# KiCad board 2024-clock-retrofit.kicad_pcb
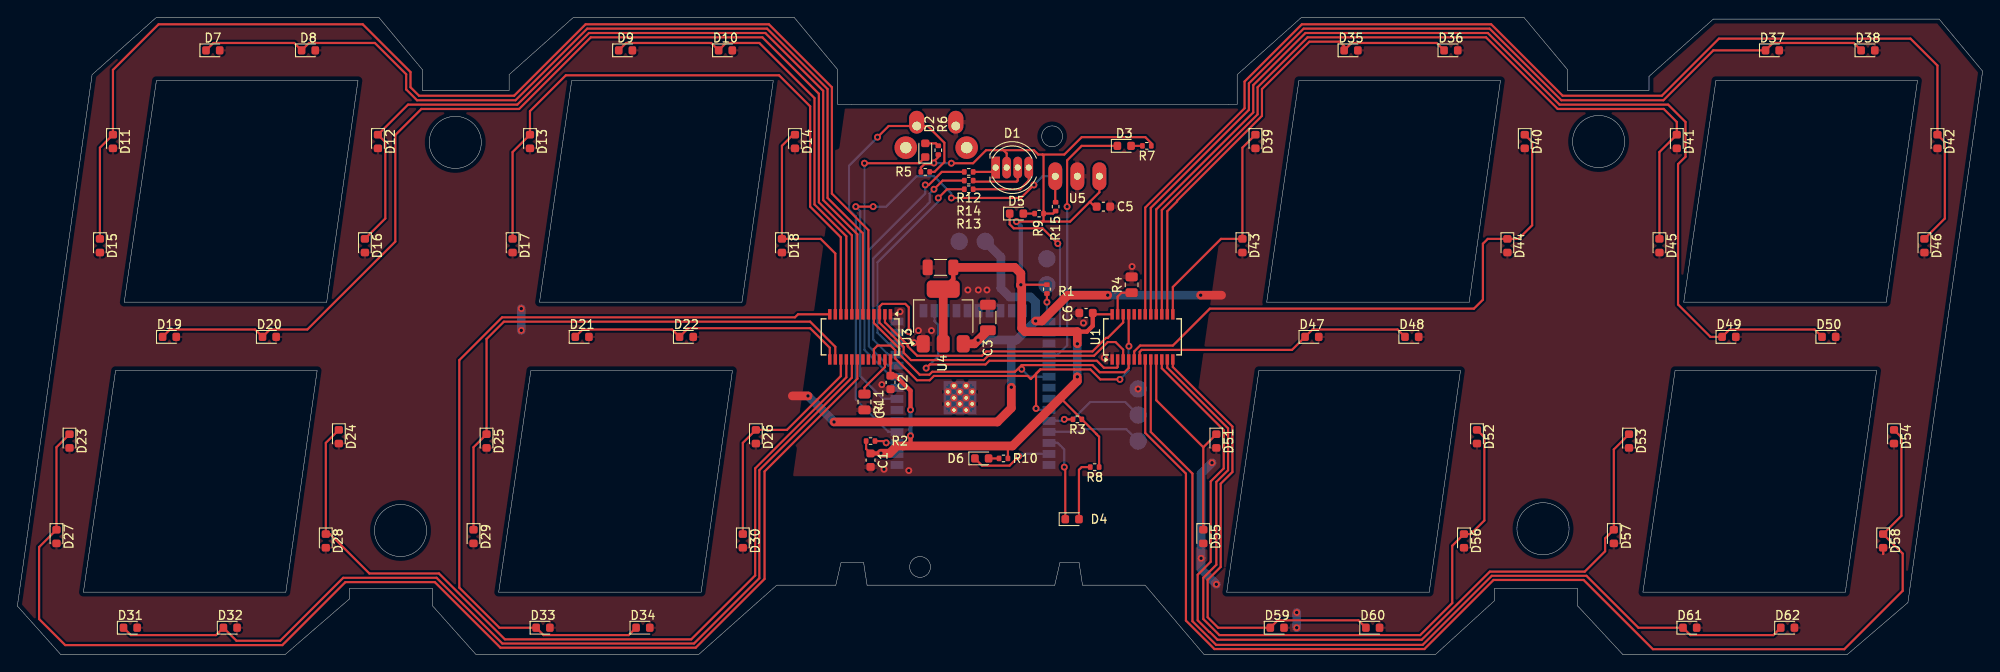
[diagram p0: board, top side]
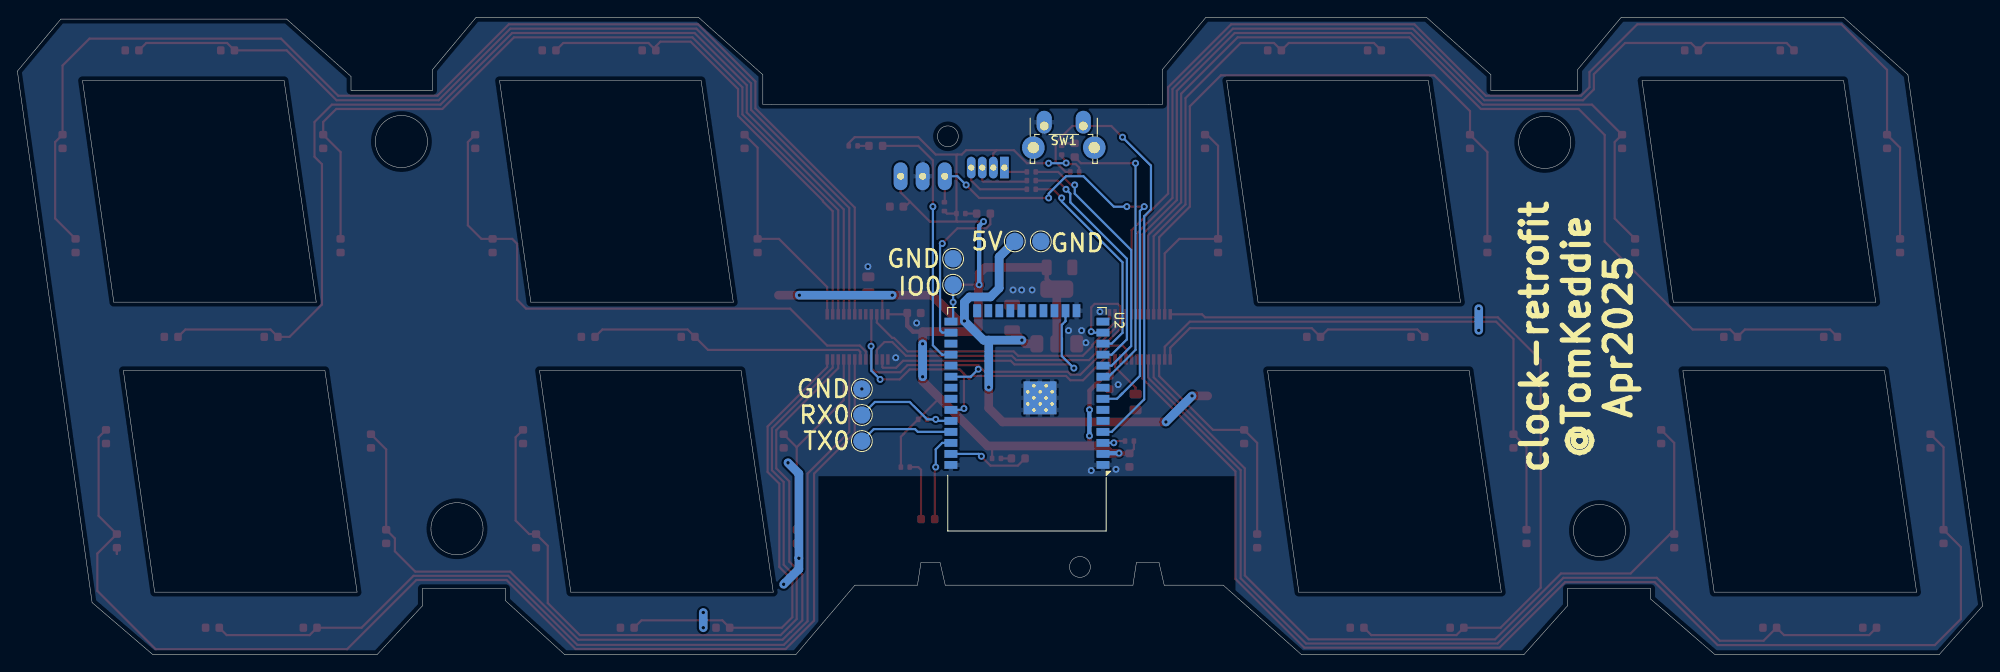
[diagram p1: board, bottom side, seen from below]

Outline 226.2 x 73.4 mm; copper layers: Top, Bottom. Coordinates in mm from the lower left corner of the outline.
Outline path: circle c44.1,14.3 r3 ; circle c50.4,59 r3 ; circle c103.9,10.1 r1.2 ; circle c119.1,59.7 r1.2 ; circle c175.6,14.5 r3 ; circle c182,59.1 r3 ; 0,5.6 8.6,66.8 16,73.4 41.6,73.4 46.6,67.4 46.6,65 56.6,65 56.6,66.8 64,73.4 89.4,73.4 94.4,67.4 94.4,63.4 140.4,63.4 140.4,66.8 147.8,73.4 173.4,73.4 178.4,67.4 178.4,65 187.8,65 187.8,66.6 195.2,73.2 221.2,73.2 226.2,67.2 217.6,6 210.6,0 184.8,0 179.6,5.6 179.6,7.6 170,7.6 170,6.2 163.2,0 136.6,0 129.8,8 122.6,8 122.2,10.6 120,10.6 119.4,8 97.8,8 97.4,10.6 94.8,10.6 94.2,8 87.4,8 78.4,0 52.8,0 47.8,5.6 47.8,7.6 38.2,7.6 38.2,6.4 30.8,0 5,0 0,5.6 ; 7.6,7.2 11.3,32.7 34.5,32.7 30.9,7.2 7.6,7.2 ; 12.3,40.6 16,66.1 39.2,66.1 35.6,40.6 12.3,40.6 ; 55.4,7.2 59.1,32.7 82.3,32.7 78.7,7.2 55.4,7.2 ; 60.1,40.6 63.8,66.1 87,66.1 83.4,40.6 60.1,40.6 ; 139.2,7.2 142.9,32.7 166.1,32.7 162.5,7.2 139.2,7.2 ; 143.8,40.6 147.5,66.1 170.7,66.1 167.1,40.6 143.8,40.6 ; 187.1,7.2 190.8,32.7 214,32.7 210.4,7.2 187.1,7.2 ; 191.8,40.6 195.5,66.1 218.7,66.1 215.1,40.6 191.8,40.6

## Placement (name value [footprint] x y rotation side)
C1  10uF/10V/X5R  [C_0603_1608Metric]  98.2 22.4 270 top
C2  100nF/50V/X7R  [C_0603_1608Metric]  100.5 31.35 270 top
C3  22uF/25V/X5R  [C_1206_3216Metric]  111.71 38.82 90 top
C4  22uF/25V/X5R  [C_1206_3216Metric]  106.25 44.6 180 top
C5  100nF/50V/X7R  [C_0603_1608Metric]  125 51.6 0 top
C6  100nF/50V/X7R  [C_0603_1608Metric]  123 39.35 180 top
D1  LED_RGBA  [LED_D5.0mm-4_RGB]  112.6 56.1 0 top  (not fitted)
D2  PM  [LED_0603_1608Metric]  104.5 58.1 90 top
D3  AL  [LED_0603_1608Metric]  127.4 58.6 0 top
D4  TEMP  [LED_0603_1608Metric]  121.4 15.6 0 top
D5  TOP  [LED_0603_1608Metric]  115 50.8 0 top
D6  BOTT  [LED_0603_1608Metric]  111 22.6 0 top
D7  LED  [LED_0603_1608Metric]  22.5 69.6 0 top
D8  LED  [LED_0603_1608Metric]  33.5 69.6 0 top
D9  LED  [LED_0603_1608Metric]  70 69.6 0 top
D10  LED  [LED_0603_1608Metric]  81.5 69.6 0 top
D11  LED  [LED_0603_1608Metric]  11 59.1 270 top
D12  LED  [LED_0603_1608Metric]  41.5 59.1 270 top
D13  LED  [LED_0603_1608Metric]  59 59.1 270 top
D14  LED  [LED_0603_1608Metric]  89.5 59.1 270 top
D15  LED  [LED_0603_1608Metric]  9.5 47.1 270 top
D16  LED  [LED_0603_1608Metric]  40 47.1 270 top
D17  LED  [LED_0603_1608Metric]  57 47.1 270 top
D18  LED  [LED_0603_1608Metric]  88 47.1 270 top
D19  LED  [LED_0603_1608Metric]  17.5 36.6 0 top
D20  LED  [LED_0603_1608Metric]  29 36.6 0 top
D21  LED  [LED_0603_1608Metric]  65 36.6 0 top
D22  LED  [LED_0603_1608Metric]  77 36.6 0 top
D23  LED  [LED_0603_1608Metric]  6 24.6 270 top
D24  LED  [LED_0603_1608Metric]  37 25.1 270 top
D25  LED  [LED_0603_1608Metric]  54 24.6 270 top
D26  LED  [LED_0603_1608Metric]  85 25.1 270 top
D27  LED  [LED_0603_1608Metric]  4.5 13.6 270 top
D28  LED  [LED_0603_1608Metric]  35.5 13.1 270 top
D29  LED  [LED_0603_1608Metric]  52.5 13.6 270 top
D30  LED  [LED_0603_1608Metric]  83.5 13.1 270 top
D31  LED  [LED_0603_1608Metric]  13 3.1 0 top
D32  LED  [LED_0603_1608Metric]  24.5 3.1 0 top
D33  LED  [LED_0603_1608Metric]  60.5 3.1 0 top
D34  LED  [LED_0603_1608Metric]  72 3.1 0 top
D35  LED  [LED_0603_1608Metric]  153.5 69.6 0 top
D36  LED  [LED_0603_1608Metric]  165 69.6 0 top
D37  LED  [LED_0603_1608Metric]  202 69.6 0 top
D38  LED  [LED_0603_1608Metric]  213 69.6 0 top
D39  LED  [LED_0603_1608Metric]  142.5 59.1 270 top
D40  LED  [LED_0603_1608Metric]  173.5 59.1 270 top
D41  LED  [LED_0603_1608Metric]  191 59.1 270 top
D42  LED  [LED_0603_1608Metric]  221 59.1 270 top
D43  LED  [LED_0603_1608Metric]  141 47.1 270 top
D44  LED  [LED_0603_1608Metric]  171.5 47.1 270 top
D45  LED  [LED_0603_1608Metric]  189 47.1 270 top
D46  LED  [LED_0603_1608Metric]  219.5 47.1 270 top
D47  LED  [LED_0603_1608Metric]  149 36.6 0 top
D48  LED  [LED_0603_1608Metric]  160.5 36.6 0 top
D49  LED  [LED_0603_1608Metric]  197 36.6 0 top
D50  LED  [LED_0603_1608Metric]  208.5 36.6 0 top
D51  LED  [LED_0603_1608Metric]  138 24.6 270 top
D52  LED  [LED_0603_1608Metric]  168 25.1 270 top
D53  LED  [LED_0603_1608Metric]  185.5 24.6 270 top
D54  LED  [LED_0603_1608Metric]  216 25.1 270 top
D55  LED  [LED_0603_1608Metric]  136.5 13.6 270 top
D56  LED  [LED_0603_1608Metric]  166.5 13.1 270 top
D57  LED  [LED_0603_1608Metric]  183.75 13.6 270 top
D58  LED  [LED_0603_1608Metric]  214.75 13.1 270 top
D59  LED  [LED_0603_1608Metric]  145 3.1 0 top
D60  LED  [LED_0603_1608Metric]  156 3.1 0 top
D61  LED  [LED_0603_1608Metric]  192.5 3.1 0 top
D62  LED  [LED_0603_1608Metric]  203.75 3.1 0 top
R1  100k  [R_0402_1005Metric]  118.5 42.1 270 top
R2  100k  [R_0402_1005Metric]  98.2 24.6 0 top
R3  100k  [R_0402_1005Metric]  122.01 27.1 180 top
R4  4.7k  [R_0805_2012Metric]  128.25 42.6 90 top
R5  R_100k  [R_0402_1005Metric]  104.5 55.6 0 top
R6  100R  [R_0402_1005Metric]  106 58.1 90 top
R7  100R  [R_0402_1005Metric]  130 58.6 180 top
R8  100R  [R_0402_1005Metric]  124 21.6 180 top
R9  100R  [R_0402_1005Metric]  117.6 50.8 180 top
R10  100R  [R_0402_1005Metric]  113.5 22.6 180 top
R11  4.7k  [R_0805_2012Metric]  97.5 29.1 270 top
R12  100R  [R_0402_1005Metric]  109.5 55.6 180 top
R13  100R  [R_0402_1005Metric]  109.5 53.6 180 top
R14  100R  [R_0402_1005Metric]  109.5 54.6 180 top
R15  100k  [R_0402_1005Metric]  119.5 51.6 90 top
SW1  SW_Push  [SW_Tactile_SPST_Angled_PTS645Vx83-2LFS]  108.01 60.89 180 bottom  (not fitted)
TP1  TestPoint  [TestPoint_Pad_D2.0mm]  111.4 47.6 180 bottom  (not fitted)
TP2  TestPoint  [TestPoint_Pad_D2.0mm]  108.4 47.6 180 bottom  (not fitted)
TP3  TestPoint  [TestPoint_Pad_D2.0mm]  118.5 42.6 180 bottom  (not fitted)
TP4  TestPoint  [TestPoint_Pad_D2.0mm]  129 24.6 180 bottom  (not fitted)
TP5  TestPoint  [TestPoint_Pad_D2.0mm]  129 27.6 180 bottom  (not fitted)
TP6  TestPoint  [TestPoint_Pad_D2.0mm]  129 30.6 180 bottom  (not fitted)
TP7  TestPoint  [TestPoint_Pad_D2.0mm]  118.5 45.6 180 bottom  (not fitted)
U1  TLC59025  [SSOP-24_3.9x8.7mm_P0.635mm]  129.5 36.6 90 top
U2  ESP32-WROOM-32  [ESP32-WROOM-32D]  110 30.1 0 bottom  (not fitted)
U3  TLC59025  [SSOP-24_3.9x8.7mm_P0.635mm]  97 36.6 270 top
U4  AZ1117-3.3  [SOT-223-3_TabPin2]  106.56 38.95 90 top
U5  ~  [IR_RECEIVER]  122 55.1 0 top  (not fitted)

## Library data of the parts
C1 = -: Datasheet: https://datasheet.lcsc.com/lcsc/1810191219_Samsung-Electro-Mechanics-CL10A106KP8NNNC_C19702.pdf; Description: 10V 10uF X5R   10% 0603 Multilayer Ceramic Capacitors MLCC - SMD SMT ROHS; LCSC: C19702; MFG: Samsung Electro-Mechanics; MFGPN: CL10A106KP8NNNC
C2 C5 C6 = -: Datasheet: https://datasheet.lcsc.com/lcsc/1809301912_YAGEO-CC0603KRX7R9BB104_C14663.pdf; Description: 50V 100nF X7R   10% 0603 Multilayer Ceramic Capacitors MLCC - SMD SMT ROHS; LCSC: C14663; MFG: YAGEO; MFGPN: CC0603KRX7R9BB104
C3 C4 = -: Datasheet: https://datasheet.lcsc.com/lcsc/1811110921_Samsung-Electro-Mechanics-CL10A106MA8NRNC_C96446.pdf; Description: 25V 10uF X5R   20% 0603 Multilayer Ceramic Capacitors MLCC - SMD SMT ROHS; LCSC: C12891; MFG: Samsung Electro-Mechanics; MFGPN: CL10A106MA8NRNC
D1 = -: Description: RGB LED, red/green/blue/anode; ki_fp_filters: LED* LED_SMD:* LED_THT:*
D2-D62 = -: Description: Light emitting diode; LCSC: C2290; ki_fp_filters: LED* LED_SMD:* LED_THT:*
R1-R3 R5 R15 = -: Description: Resistor, small symbol; LCSC: C25741; ki_fp_filters: R_*
R4 R11 = -: Description: Resistor, small symbol; LCSC: C17673; ki_fp_filters: R_*
R6-R10 R12-R14 = -: Description: Resistor, small symbol; LCSC: C25076; ki_fp_filters: R_*
SW1 = -: Description: Push button switch, generic, two pins
TP1-TP7 = -: Description: test point; ki_fp_filters: Pin* Test*
U1 U3 = -: Mfg: Texas Instruments; PN: TLC59282DBQR; JLCPCB_ROTATION_DELTA: 270
U2 = -: Datasheet: https://www.espressif.com/sites/default/files/documentation/esp32-wroom-32_datasheet_en.pdf; Description: RF Module, ESP32-D0WDQ6 SoC, Wi-Fi 802.11b/g/n, Bluetooth, BLE, 32-bit, 2.7-3.6V, onboard antenna, SMD; LCSC: C473012; ki_fp_filters: ESP32?WROOM?32*
U4 = -: Datasheet: https://www.diodes.com/assets/Datasheets/AZ1117.pdf; Description: 1A 20V Fixed LDO Linear Regulator, 3.3V, SOT-89/SOT-223/TO-220/TO-252/TO-263; LCSC: C6186; JLCPCB_ROTATION_DELTA: 180; ki_fp_filters: SOT?223* SOT?89* TO?220* TO?252* TO?263*

## Footprints (pads in the part's own frame, mm; a bottom-side part is the same pattern mirrored in y, then rotated)
C_0603_1608Metric
  rrect 0.9x0.95 smd: 1(-0.775,0) 2(0.775,0)
C_1206_3216Metric
  rrect 1.15x1.8 smd: 1(-1.475,0) 2(1.475,0)
ESP32-WROOM-32D
  rect 1.5x0.9 smd: 1(-8.75,8.25) 2(-8.75,6.98) 3(-8.75,5.71) 4(-8.75,4.44) 5(-8.75,3.17) 6(-8.75,1.9) 7(-8.75,0.63) 8(-8.75,-0.64) 9(-8.75,-1.91) 10(-8.75,-3.18) 11(-8.75,-4.45) 12(-8.75,-5.72) 13(-8.75,-6.99) 14(-8.75,-8.26) 25(8.75,-8.26) 26(8.75,-6.99) 27(8.75,-5.72) 28(8.75,-4.45) 29(8.75,-3.18) 30(8.75,-1.91) 31(8.75,-0.64) 32(8.75,0.63) 33(8.75,1.9) 34(8.75,3.17) 35(8.75,4.44) 36(8.75,5.71) 37(8.75,6.98) 38(8.75,8.25)
  rect 0.9x1.5 smd: 15(-5.71,-9.51) 16(-4.44,-9.51) 17(-3.17,-9.51) 18(-1.9,-9.51) 19(-0.63,-9.51) 20(0.64,-9.51) 21(1.91,-9.51) 22(3.18,-9.51) 23(4.45,-9.51) 24(5.72,-9.51)
  rect 0.9x0.9 smd: 39(-2.9,-0.87) 39(-2.9,0.53) 39(-2.9,1.93) 39(-1.5,-0.87) 39(-1.5,0.53) 39(-1.5,1.93) 39(-0.1,-0.87) 39(-0.1,0.53) 39(-0.1,1.93)
  round 0.8 hole 0.4: 39(-2.9,-0.17) 39(-2.9,1.23) 39(-2.2,-0.87) 39(-2.2,0.53) 39(-2.2,1.93) 39(-1.525,-0.17) 39(-1.525,1.23) 39(-0.8,-0.87) 39(-0.8,0.53) 39(-0.8,1.93) 39(-0.1,-0.17) 39(-0.1,1.23)
  rect 3.8x3.8 smd: 39(-1.5,0.53)
IR_RECEIVER
  oval 1.6x3.2 hole 0.8: 1(-2.54,0) 2(0,0) 3(2.54,0)
LED_0603_1608Metric
  rrect 0.875x0.95 smd: 1(-0.787,0) 2(0.787,0)
LED_D5.0mm-4_RGB
  rect 1x2.5 hole 0.7: 1(0,0)
  oval 1x2.5 hole 0.7: 2(1.27,0) 3(2.54,0) 4(3.81,0)
R_0402_1005Metric
  rrect 0.54x0.64 smd: 1(-0.51,0) 2(0.51,0)
R_0805_2012Metric
  rrect 1.025x1.4 smd: 1(-0.912,0) 2(0.912,0)
SOT-223-3_TabPin2
  rrect 2x1.5 smd: 1(-3.15,2.3) 2(-3.15,0) 3(-3.15,-2.3)
  rrect 2x3.8 smd: 2(3.15,0)
SSOP-24_3.9x8.7mm_P0.635mm
  rect 1.2x0.4 smd: 1(-2.6,3.493) 2(-2.6,2.857) 3(-2.6,2.223) 4(-2.6,1.587) 5(-2.6,0.953) 6(-2.6,0.318) 7(-2.6,-0.318) 8(-2.6,-0.953) 9(-2.6,-1.587) 10(-2.6,-2.223) 11(-2.6,-2.857) 12(-2.6,-3.493) 13(2.6,-3.493) 14(2.6,-2.857) 15(2.6,-2.223) 16(2.6,-1.587) 17(2.6,-0.953) 18(2.6,-0.318) 19(2.6,0.318) 20(2.6,0.953) 21(2.6,1.587) 22(2.6,2.223) 23(2.6,2.857) 24(2.6,3.493)
SW_Tactile_SPST_Angled_PTS645Vx83-2LFS
  round 2.6 hole 1.3: (-1.25,-2.49) (5.76,-2.49)
  oval 1.75x2.625 hole 0.99: 1(0,0) 2(4.5,0)
TestPoint_Pad_D2.0mm
  round 2 smd: 1(0,0)

## Nets
+3.3V: C1.1 C2.1 C4.1 C5.1 C6.1 D1.2 R1.1 R2.1 R3.1 R5.1 R6.1 R7.1 R8.1 R9.1 R10.1 R15.1 U1.24 U2.2 U3.24 U4.2 U5.3
+5V: C3.1 D7.2 D8.2 D9.2 D10.2 D11.2 D12.2 D13.2 D14.2 D15.2 D16.2 D17.2 D18.2 D19.2 D20.2 D21.2 D22.2 D23.2 D24.2 D25.2 D26.2 D27.2 D28.2 D29.2 D30.2 D31.2 D32.2 D33.2 D34.2 D35.2 D36.2 D37.2 D38.2 D39.2 D40.2 D41.2 D42.2 D43.2 D44.2 D45.2 D46.2 D47.2 D48.2 D49.2 D50.2 D51.2 D52.2 D53.2 D54.2 D55.2 D56.2 D57.2 D58.2 D59.2 D60.2 D61.2 D62.2 TP1.1 U4.3
GND: C1.2 C2.2 C3.2 C4.2 C5.2 C6.2 R4.2 R11.2 SW1.1 TP2.1 TP6.1 TP7.1 U1.1 U2.1 U2.15 U2.38 U2.39 U3.1 U4.1 U5.2
/H_SEG_A0: D7.1 D8.1 U3.6
/H_SEG_A1: D9.1 D10.1 U3.9
/H_SEG_B0: D12.1 D16.1 U3.7
/H_SEG_B1: D14.1 D18.1 U3.11
/H_SEG_C0: D24.1 D28.1 U3.16
/H_SEG_C1: D26.1 D30.1 U3.15
/H_SEG_D0: D31.1 D32.1 U3.17
/H_SEG_D1: D33.1 D34.1 U3.12
/H_SEG_E0: D23.1 D27.1 U3.18
/H_SEG_E1: D25.1 D29.1 U3.14
/H_SEG_F0: D11.1 D15.1 U3.5
/H_SEG_F1: D13.1 D17.1 U3.10
/H_SEG_G0: D19.1 D20.1 U3.8
/H_SEG_G1: D21.1 D22.1 U3.13
/IO0: R1.2 TP3.1 U2.25
/IR_SIGNAL: R15.2 U2.7 U5.1
/LED_5MM_B: R13.2 U2.12
/LED_5MM_G: R14.2 U2.11
/LED_5MM_R: R12.2 U2.10
/LED_AL: D3.1 U2.28
/LED_BOTT: D6.1 U2.37
/LED_CLK: U1.3 U2.13 U3.3
/LED_LE: U1.4 U2.30 U3.4
/LED_MOSI: U1.2 U2.16
/LED_PM: D2.1 U2.9
/LED_TEMP: D4.1 U2.36
/LED_TOP: D5.1 U2.26
/M_SEG_A0: D35.1 D36.1 U1.14
/M_SEG_A1: D37.1 D38.1 U1.17
/M_SEG_B0: D40.1 D44.1 U1.5
/M_SEG_B1: D42.1 D46.1 U1.18
/M_SEG_C0: D52.1 D56.1 U1.11
/M_SEG_C1: D54.1 D58.1 U1.7
/M_SEG_D0: D59.1 D60.1 U1.12
/M_SEG_D1: D61.1 D62.1 U1.8
/M_SEG_E0: D51.1 D55.1 U1.9
/M_SEG_E1: D53.1 D57.1 U1.10
/M_SEG_F0: D39.1 D43.1 U1.13
/M_SEG_F1: D41.1 D45.1 U1.15
/M_SEG_G0: D47.1 D48.1 U1.6
/M_SEG_G1: D49.1 D50.1 U1.16
/RXD0: R3.2 TP5.1 U2.34
/SW1: R5.2 SW1.2 U2.4
/TXD0: TP4.1 U2.35
/~{LED_OE}: U1.21 U2.33 U3.21
Net-(D1-BK): D1.4 R13.1
Net-(D1-GK): D1.3 R14.1
Net-(D1-RK): D1.1 R12.1
Net-(D2-A): D2.2 R6.2
Net-(D3-A): D3.2 R7.2
Net-(D4-A): D4.2 R8.2
Net-(D5-A): D5.2 R9.2
Net-(D6-A): D6.2 R10.2
Net-(U1-R-EXT): R4.1 U1.23
Net-(U1-SDO): U1.22 U3.2
Net-(U2-EN): R2.2 U2.3
Net-(U3-R-EXT): R11.1 U3.23

Pads without a net: U1 19 20; U2 5 6 8 14 17 18 19 20 21 22 23 24 27 29 31 32; U3 19 20 22

## Via types
v1: diameter 0.8, hole 0.4, Top to Bottom, 59 vias

## Routing (per net, layer and track width the routed paths; a pad name or vN(x,y) marks a point on that pad's centre or on a via; arc(x,y) is an arc through that point)
+3.3V: length 162.8
  Top w0.25: R5.1 103.99,56.1 104.39,56.5 105.18,56.5 106,57.32 R6.1 ; 118,57.6 117.5,57.6 117,58.1 113.5,58.1 ; 118,57.6 120.5,57.6 122.5,59.6 129.83,59.6 130.51,58.92 R7.1 ; 118,57.6 118.11,57.49 R9.1 ; 123.44,52.16 124.54,53.25 U5.3 ; 123.44,52.16 121.17,49.88 118,49.88 ; 123.44,52.16 124,51.6 C5.1 ; R2.1 97.69,23.68 C1.1 ; C2.1 100.49,32.13 U3.24 ; R1.1 115.51,42.61 v1(115.5,42.6) ; v1(115,49.88) 118,49.88 ; 118,49.88 118.11,49.99 R9.1 ; 113.5,58.1 111.5,58.1 110,56.6 v1(107.5,56.6) ; 113.5,58.1 113.87,57.73 D1.2 ; R9.1 119.21,50.8 R15.1 ; R8.1 124.51,25.09 124.2,25.4 124.2,25.42 R3.1 119.89,29.73 ; 114,24.03 114.01,24.03 R10.1 ; C6.1 123.93,39.2 U1.24
  Top w0.5: C1.1 99.38,23.17 v1(99.4,23.2) 100.2,23.2 ; 102.8,24.03 v1(102.8,25.2) ; C4.1 107.73,43.26 U4.2 ; 114.18,24.03 114,24.03 ; 122,37.2 123.1,37.2 123.78,37.88 C6.1 ; C2.1 101.08,32.12 102.8,30.4 v1(102.8,28.2) ; v1(122,32) 122,31.86
  Top w1: v1(122,35.8) 122,37.2 116,37.2 115.6,37.6 115.6,42.4 115.45,42.55 v1(115.5,42.6) 115.5,43.9 114.8,44.6 C4.1 ; v1(99.4,23.2) 100.4,23.2 101.23,24.03 114.53,24.03 122,31.5 v1(122,32) ; U4.2 106.57,42.1
  Bottom w0.25: v1(107.5,56.6) 105.52,56.6 v1(105.49,56.63)
  Bottom w0.5: v1(115,49.88) 115.5,49.38 v1(115.5,42.6) ; v1(99.4,23.2) 101.17,23.2 U2.2 ; v1(102.8,25.2) v1(102.8,28.2)
  Bottom w1: v1(122,35.8) v1(122,32)
+5V: length 102
  Top w0.25: 214.75,11.85 214.75,11.6 D58.2
  Top w1: C3.1 v1(110.58,36.22) 110.16,35.8 U4.3 ; v1(94,26.8) 112.8,26.8 114.4,28.4 v1(114.4,30.8) ; v1(125.5,41.4) 120.9,41.4 117.93,38.43 v1(117.2,38.43) ; 89.2,29.8 v1(91,29.8) ; 138.6,41.4 v1(136.2,41.4)
  Bottom w1: TP1.1 113.2,45.8 113.2,42.2 114.2,41.2 116.6,41.2 117.2,40.6 v1(117.2,38.43) 114.99,36.22 114.4,36.22 ; v1(137.5,22.1) 136.25,20.85 v1(136.25,11.1) 136.25,9.85 v1(138,8.1) ; v1(58,39.85) v1(58,37.35) ; v1(91,29.8) v1(94,26.8) ; 114.4,36.22 v1(110.58,36.22) ; 114.4,36.22 v1(114.4,30.8) ; v1(147.25,4.85) v1(147.25,3.1) ; v1(136.2,41.4) v1(125.5,41.4)
GND:
  vias: v1(99.5,31.1) v1(99.75,21.35) v1(101.6,39.5) v1(102.6,21.2) v1(103.21,35.92) v1(103.71,37.32) v1(105.21,37.32) v1(109.4,42) v1(110.6,42) v1(111.6,42) v1(122.7,38.2) v1(125.1,34.2) v1(128.3,44.7) v1(129,30.6)
/H_SEG_A0: length 110.3
  Top w0.25: U3.6 97.32,48.53 93.25,52.6 93.25,65.14 86.29,72.1 65.59,72.1 57.34,63.85 46,63.85 44.75,65.1 44.75,66.85 41.15,70.45 33.56,70.45 D8.1 31.86,70.45 22.56,70.45 D7.1
/H_SEG_A1: length 52.6
  Top w0.25: D9.1 70.06,70.45 79.86,70.45 D10.1 81.56,70.45 85.4,70.45 91.75,64.1 91.75,51.85 95.41,48.19 U3.9
/H_SEG_B0: length 99.6
  Top w0.25: U3.7 96.68,48.42 92.75,52.35 92.75,64.94 86.09,71.6 65.79,71.6 57.54,63.35 44.96,63.35 D12.1 42.35,59.04 42.35,50.24 D16.1
/H_SEG_B1: length 26.6
  Top w0.25: D14.1 89.28,59.89 88,58.61 D18.1 92.46,47.89 94.14,46.21 U3.11
/H_SEG_C0: length 99.3
  Top w0.25: D24.1 35.5,24.39 D28.1 35.97,13.89 40.51,9.35 48.53,9.35 56.11,1.76 77.56,1.76 84.92,9.12 84.92,21.45 95.41,31.94 U3.16
/H_SEG_C1: length 26.9
  Top w0.25: U3.15 94.78,32.08 88.58,25.89 D26.1 83.5,24.39 D30.1
/H_SEG_D0: length 113.4
  Top w0.25: D31.1 13.06,2.25 22.86,2.25 D32.1 25.21,1.6 30.25,1.6 37.5,8.85 48.25,8.85 55.82,1.28 77.88,1.28 85.4,8.8 85.4,21.25 96.05,31.9 U3.17
/H_SEG_D1: length 94
  Top w0.25: D34.1 70.36,2.25 60.56,2.25 D33.1 55.48,3.1 50.87,7.72 50.87,33.92 55.79,38.85 89.5,38.85 89.85,39.2 U3.12
/H_SEG_E0: length 146.6
  Top w0.25: D23.1 4.5,23.89 D27.1 2.5,12.39 2.5,4.1 5.5,1.1 30.5,1.1 37.75,8.35 48.05,8.35 55.6,0.8 78.08,0.8 86,8.72 86,21.1 96.68,31.78 U3.18
/H_SEG_E1: length 66.2
  Top w0.25: U3.14 94.14,35.46 91.25,38.35 56,38.35 54,36.35 D25.1 52.5,23.89 D29.1
/H_SEG_F0: length 143.7
  Top w0.25: D15.1 9.5,58.39 D11.1 11,67.35 16.25,72.6 39.75,72.6 45.25,67.1 45.25,65.35 46.22,64.38 57.17,64.38 65.4,72.6 86.5,72.6 93.75,65.35 93.75,53.1 97.95,48.9 U3.5
/H_SEG_F1: length 76.4
  Top w0.25: D17.1 57,57.89 D13.1 59,62.6 63.12,66.72 87.67,66.72 91.25,63.15 91.25,51.6 94.78,48.07 U3.10
/H_SEG_G0: length 127.4
  Top w0.25: U3.8 96.05,48.3 92.25,52.1 92.25,64.6 85.75,71.1 66,71.1 57.75,62.85 46.5,62.85 43.5,59.85 43.5,47.57 33.38,37.45 29.06,37.45 D20.1 27.36,37.45 17.56,37.45 D19.1
/H_SEG_G1: length 32.7
  Top w0.25: D21.1 65.06,37.45 75.36,37.45 D22.1 77.21,37.6 91.25,37.6 93.51,35.34 U3.13
/IO0: length 5.3
  Top w0.25: R1.2 v1(118.5,40.6)
  Bottom w0.25: U2.25 118.5,38.61 v1(118.5,40.6) TP3.1
/IR_SIGNAL: length 55.6
  Top w0.25: v1(96.5,51.6) v1(98.5,51.6) ; U5.1 119.46,52.15 R15.2 ; v1(107.5,52.6) 115.5,52.6 v1(117,54.1)
  Bottom w0.25: U5.1 118,55.1 v1(117,54.1) ; v1(96.5,51.6) 97,51.1 97,32.1 99.28,29.82 99,30.1 99.63,29.47 U2.7 ; v1(98.5,51.6) 100,51.6 103.5,55.1 105.5,55.1 107.5,53.1 v1(107.5,52.6)
/LED_5MM_B: length 24.6
  Top w0.25: R13.2 107,53.6 v1(106,52.6)
  Bottom w0.25: v1(106,52.6) 106,52.2 99,45.2 99,37.07 100.25,35.82 U2.12
/LED_5MM_G: length 27.6
  Top w0.25: R14.2 106.5,54.6 v1(105.5,53.6)
  Bottom w0.25: v1(105.5,53.6) 105,53.1 105,52.1 98.5,45.6 98.5,36.3 100.25,34.55 U2.11
/LED_5MM_R: length 30.6
  Top w0.25: v1(104.5,54.1) 104.9,54.1 106.4,55.6 R12.2
  Bottom w0.25: v1(104.5,54.1) 104.5,53.1 98,46.6 98,35.53 100.25,33.28 U2.10
/LED_AL: length 30.3
  Top w0.25: v1(120.82,51.6) 120.82,56.92 122.5,58.6 D3.1
  Bottom w0.25: v1(120.82,51.6) 120.82,35.62 119.75,34.55 U2.28
/LED_BOTT: length 9.5
  Top w0.25: D6.1 111.04,21.77 114.2,21.77 115.25,22.82 v1(115.25,22.85)
  Bottom w0.25: v1(115.25,22.85) 115.52,23.12 U2.37
/LED_CLK: length 42.3
  Top w0.25: v1(102.6,37.2) 102.6,40 102.2,40.4 99.55,40.4 99.22,40.08 U3.3 99.22,38.24 102.01,35.45 102.01,34.77 102.85,33.92 111.23,33.92 111.73,34.42 123.93,34.42 125.5,36 126.4,36 127.28,35.12 U1.3
  Bottom w0.25: U2.13 102.49,37.09 v1(102.6,37.2)
/LED_LE: length 39.2
  Top w0.25: U3.4 98.59,38.19 101.53,35.25 101.53,34.57 103.85,32.24 104.97,32.24 105.3,32.58 114.83,32.58 115.6,33.35 ; 115.6,33.35 v1(115.6,32.88) ; 115.6,33.35 123.75,33.35 124.57,32.52 127.43,32.52 127.91,33.01 U1.4
  Bottom w0.25: v1(115.6,32.88) 116.47,32.01 U2.30
/LED_MOSI: length 31
  Top w0.25: U1.2 126.64,33.12 126.56,33.04 125.06,33.04 124.25,33.85 111.86,33.85 111.44,33.42 105.03,33.42 v1(104.6,33)
  Bottom w0.25: U2.16 105.56,38.41 105.99,37.98 105.99,34.38 v1(104.6,33)
/LED_PM: length 33.8
  Top w0.25: D2.1 103.79,56.6 v1(97.5,56.6)
  Bottom w0.25: U2.9 100.59,32.01 97.5,35.1 v1(97.5,56.6)
/LED_TEMP: length 10.1
  Top w0.25: D4.1 120.61,21.49 v1(120.5,21.6)
  Bottom w0.25: v1(120.5,21.6) 120.5,23.64 119.75,24.39 U2.36
/LED_TOP: length 19.2
  Top w0.25: D5.1 114.21,49.57 114.68,49.1 118,49.1 v1(119.75,47.35)
  Bottom w0.25: v1(119.75,47.35) 120,47.1 120,37.34 119.75,37.09 U2.26
/M_SEG_A0: length 55.1
  Top w0.25: D36.1 163.36,70.45 153.56,70.45 D35.1 152.71,70.07 152.19,70.6 148.71,70.6 143.25,65.14 143.25,62.05 133.48,52.28 133.48,52.2 132.36,51.08 U1.14
/M_SEG_A1: length 110.9
  Top w0.25: U1.17 130.45,51.45 141.75,62.75 141.75,65.8 148.05,72.1 169.46,72.1 177.71,63.85 189.46,63.85 195.21,69.6 D37.1 202.06,70.45 211.36,70.45 D38.1
/M_SEG_B0: length 67.3
  Top w0.25: U1.5 128.55,34.92 129.23,35.6 133,35.6 137.25,39.85 167.65,39.85 168.68,40.88 168.68,47.32 169.24,47.89 D44.1 172.79,47.89 174.35,49.45 174.35,59.04 D40.1
/M_SEG_B1: length 142.7
  Top w0.25: U1.18 129.82,51.5 141.25,62.93 141.25,66.01 147.84,72.6 169.64,72.6 177.86,64.38 189.28,64.38 195.85,70.95 217.9,70.95 221,67.85 D42.1 221.85,59.04 221.85,50.24 D46.1
/M_SEG_C0: length 87.2
  Top w0.25: U1.11 132.36,33.06 139.35,26.07 139.35,21.24 138,19.89 138,10.35 136.5,8.85 136.5,4.1 138.35,2.25 161.46,2.25 165.16,5.94 165.16,12.54 D56.1 167.29,13.89 168.85,15.45 168.85,25.04 D52.1
/M_SEG_C1: length 146
  Top w0.25: U1.7 129.82,25.53 134.5,20.85 134.5,3.92 137.78,0.64 161.95,0.64 169.9,8.6 180.28,8.6 188.25,0.62 210.28,0.62 217,7.35 217,11.64 D58.1 216.85,15.99 216.85,25.04 D54.1
/M_SEG_D0: length 53.1
  Top w0.25: U1.12 132.99,33.13 139.85,26.27 139.85,21.04 138.5,19.69 138.5,10.1 137,8.6 137,4.31 138.21,3.1 D59.1 145.06,3.95 154.36,3.95 D60.1
/M_SEG_D1: length 107.5
  Top w0.25: U1.8 130.45,25.65 135.25,20.85 135.25,3.85 137.97,1.12 161.75,1.12 169.71,9.08 180.6,9.08 186.58,3.1 D61.1 192.56,2.25 202.11,2.25 D62.1
/M_SEG_E0: length 24
  Top w0.25: 136.5,23.89 D55.1 ; 136.5,23.89 131.09,29.3 U1.9 ; 136.5,23.89 D51.1
/M_SEG_E1: length 100.9
  Top w0.25: U1.10 131.72,32.99 138.85,25.86 138.85,21.45 137.35,19.95 137.35,10.7 135.85,9.2 135.85,3.95 137.21,2.6 137.25,2.6 138.13,1.72 161.63,1.72 169.48,9.56 180.4,9.56 182.75,11.91 182.75,13.39 D57.1 183.75,23.64 D53.1
/M_SEG_F0: length 26.1
  Top w0.25: D39.1 141,58.39 D43.1 138.54,47.89 132.99,42.34 U1.13
/M_SEG_F1: length 99.7
  Top w0.25: D45.1 189,57.89 D41.1 191,61.35 189.5,62.85 177.29,62.85 169.04,71.1 148.5,71.1 142.75,65.35 142.75,62.23 131.72,51.2 U1.15
/M_SEG_G0: length 32.8
  Top w0.25: D48.1 158.86,37.45 149.06,37.45 D47.1 146.71,35.1 129.41,35.1 129.18,34.88 U1.6
/M_SEG_G1: length 127.7
  Top w0.25: D50.1 206.86,37.45 197.06,37.45 D49.1 194.87,36.6 191.14,40.33 191.14,56.49 192,57.35 192,61.35 190,63.35 177.5,63.35 169.25,71.6 148.26,71.6 142.25,65.59 142.25,62.45 131.09,51.29 U1.16
/RXD0: length 12.8
  Top w0.25: R3.2 v1(120.5,27.1)
  Bottom w0.25: U2.34 120.33,26.93 v1(120.5,27.1) R3.2 123.5,29.1 127.5,29.1 TP5.1
/SW1: length 51.6
  Top w0.25: R5.2 105.56,55.6 106.69,56.74 106.69,58.96 104.77,60.89 SW1.2 100.29,60.89 v1(99,59.6)
  Bottom w0.25: v1(99,59.6) 95.72,56.32 95.72,51.28 96.5,50.5 96.5,29.41 100.25,25.66 U2.4
/TXD0: length 11
  Bottom w0.25: TP4.1 127.62,25.97 122.88,25.97 122.56,25.66 U2.35
/~{LED_OE}: length 47.4
  Top w0.25: 117.75,32.85 121.64,32.85 121.65,32.85 122.35,32.85 122.36,32.85 123.5,32.85 124.65,31.7 v1(126.9,31.7) ; 117.75,32.85 116.65,31.74 116.29,32.1 105.5,32.1 105,31.6 103.55,31.6 101.05,34.1 101.05,35.05 100.5,35.6 99,35.6 98.59,35.19 U3.21 ; 117.75,32.85 117.25,32.35 v1(117.25,28.35) ; v1(127.94,35.52) 127.91,35.55 U1.21
  Bottom w0.25: U2.33 117.4,28.2 v1(117.25,28.35) ; v1(126.9,31.7) 127.9,32.7 127.9,35.48 v1(127.94,35.52)
Net-(D1-BK): length 8.3
  Top w0.25: R13.1 115.4,53.6 116.41,54.61 D1.4
Net-(D1-GK): length 6.7
  Top w0.25: R14.1 110.13,54.47 115.01,54.47 115.14,54.6 D1.3
Net-(D1-RK): length 2.8
  Top w0.25: D1.1 112.1,55.6 R12.1
Net-(D2-A): length 1.6
  Top w0.25: D2.2 105.72,58.89 R6.2
Net-(D3-A): length 1.3
  Top w0.25: D3.2 R7.2
Net-(D4-A): length 7.1
  Top w0.25: R8.2 122.5,21.6 122.19,21.29 D4.2
Net-(D5-A): length 1.3
  Top w0.25: R9.2 D5.2
Net-(D6-A): length 1.2
  Top w0.25: D6.2 R10.2
Net-(U1-R-EXT): length 3.8
  Top w0.25: R4.1 127.09,41.69 126.64,41.24 U1.23
Net-(U1-SDO): length 32.6
  Top w0.25: U3.2 99.86,38.28 102.49,35.65 102.49,35.5 103.57,34.42 111.03,34.42 111.53,34.92 123.75,34.92 125.3,36.48 125.5,36.48 127.28,38.26 U1.22
Net-(U2-EN): length 2.6
  Top w0.25: v1(100,24.4) 99.8,24.6 R2.2
  Bottom w0.25: U2.3 101.24,24.4 v1(100,24.4)
Net-(U3-R-EXT): length 5
  Top w0.25: U3.23 99.86,33.12 97.5,30.77 R11.1

## Copper pours and planes (outline as drawn; the poured copper is in the pictures)
+5V on Top: -5,73.6 96.5,73.6 85.25,-6.15 -5,-5.9
+5V on Top: 142,73.6 131.5,-0.65 232.5,-0.4 232.5,73.6
GND on Top, Bottom: 232.5,76.6 232.5,-5.9 -5,-5.9 -5,76.6

## Text on the board
B.Silkscreen: IO0 | GND | 5V | RX0 | TX0 | clock-retrofit / @TomKeddie / Apr2025
